# KiCad board demomatrix.kicad_pcb
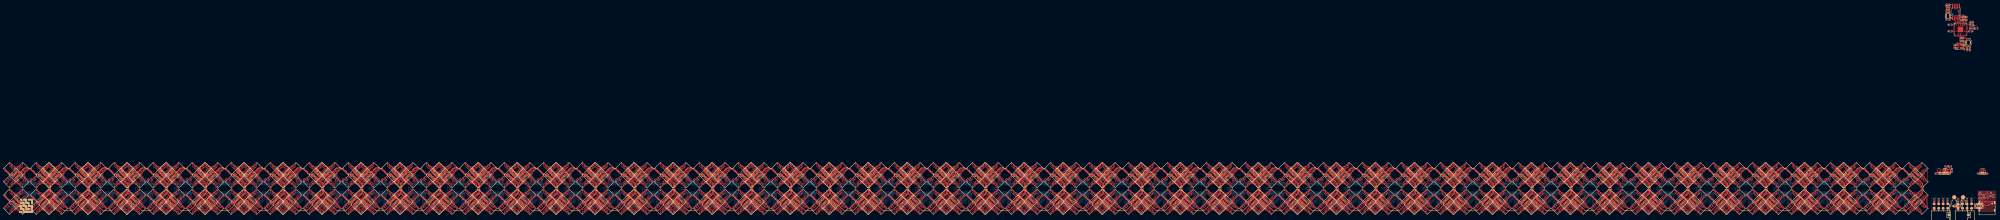
[diagram p0: board, top side]
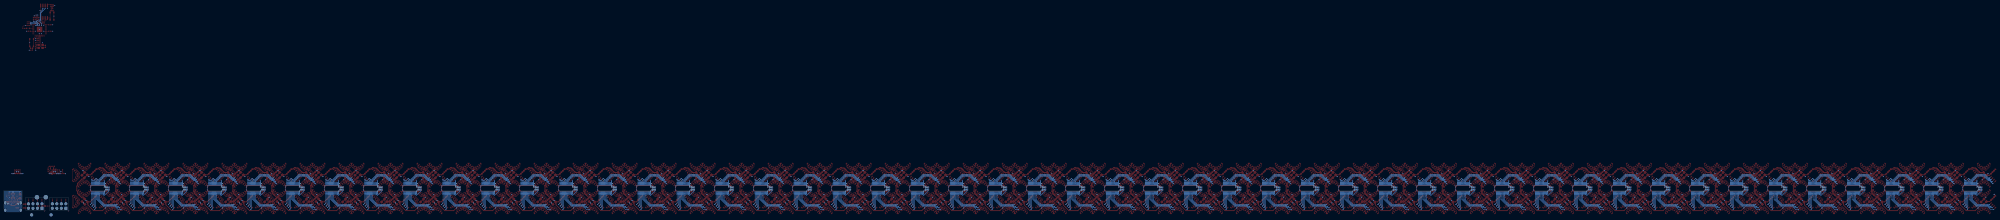
[diagram p1: board, bottom side, seen from below]

Outline 24.61 x 8.1 mm; copper layers: Top, Bottom. Coordinates in mm from the lower left corner of the outline.
Outline path: rectangle 0.35,8.1 11.15,0.7 ; rectangle 13.81,8.1 24.61,0.7 ; 0.7,0 0,0.7 ; 14.16,0 13.46,0.7

## Placement (name value [footprint] x y rotation side)
C1  10µF ±10% 25V X5R  [C0805]  -1080.5 19.73 315 top
C2  10µF ±10% 25V X5R  [C0805]  -1078.8 21.44 315 top
C3  10µF ±10% 25V X5R  [C0805]  -1080.49 6.37 45 top
C4  10µF ±10% 25V X5R  [C0805]  -1063.85 19.82 45 top
C5  10µF ±10% 25V X5R  [C0805]  -1065.54 4.75 315 top
C6  10µF ±10% 25V X5R  [C0805]  -1078.84 4.7 45 top
C7  10µF ±10% 25V X5R  [C0805]  -1063.94 6.4 315 top
C8  10µF ±10% 25V X5R  [C0805]  -1065.46 21.49 45 top
C9  100nF ±10% 16V X7R  [C0402]  -1077.23 13.08 90 bottom
C10  10µF ±10% 25V X5R  [C0805]  -838.5 19.73 315 top
C11  10µF ±10% 25V X5R  [C0805]  -836.8 21.44 315 top
C12  10µF ±10% 25V X5R  [C0805]  -838.49 6.37 45 top
C13  10µF ±10% 25V X5R  [C0805]  -821.85 19.82 45 top
C14  10µF ±10% 25V X5R  [C0805]  -823.54 4.75 315 top
C15  10µF ±10% 25V X5R  [C0805]  -836.84 4.7 45 top
C16  10µF ±10% 25V X5R  [C0805]  -821.94 6.4 315 top
C17  10µF ±10% 25V X5R  [C0805]  -823.46 21.49 45 top
C18  100nF ±10% 16V X7R  [C0402]  -835.23 13.08 90 bottom
C19  10µF ±10% 25V X5R  [C0805]  -596.5 19.73 315 top
C20  10µF ±10% 25V X5R  [C0805]  -594.8 21.44 315 top
C21  10µF ±10% 25V X5R  [C0805]  -596.49 6.37 45 top
C22  10µF ±10% 25V X5R  [C0805]  -579.85 19.82 45 top
C23  10µF ±10% 25V X5R  [C0805]  -581.54 4.75 315 top
C24  10µF ±10% 25V X5R  [C0805]  -594.84 4.7 45 top
C25  10µF ±10% 25V X5R  [C0805]  -579.94 6.4 315 top
C26  10µF ±10% 25V X5R  [C0805]  -581.46 21.49 45 top
C27  100nF ±10% 16V X7R  [C0402]  -593.23 13.08 90 bottom
C28  10µF ±10% 25V X5R  [C0805]  -354.5 19.73 315 top
C29  10µF ±10% 25V X5R  [C0805]  -352.8 21.44 315 top
C30  10µF ±10% 25V X5R  [C0805]  -354.49 6.37 45 top
C31  10µF ±10% 25V X5R  [C0805]  -337.85 19.82 45 top
C32  10µF ±10% 25V X5R  [C0805]  -339.54 4.75 315 top
C33  10µF ±10% 25V X5R  [C0805]  -352.84 4.7 45 top
C34  10µF ±10% 25V X5R  [C0805]  -337.94 6.4 315 top
C35  10µF ±10% 25V X5R  [C0805]  -339.46 21.49 45 top
C36  100nF ±10% 16V X7R  [C0402]  -351.23 13.08 90 bottom
C37  10µF ±10% 25V X5R  [C0805]  -134.5 19.73 315 top
C38  10µF ±10% 25V X5R  [C0805]  -132.8 21.44 315 top
C39  10µF ±10% 25V X5R  [C0805]  -134.49 6.37 45 top
C40  10µF ±10% 25V X5R  [C0805]  -117.85 19.82 45 top
C41  10µF ±10% 25V X5R  [C0805]  -119.54 4.75 315 top
C42  10µF ±10% 25V X5R  [C0805]  -132.84 4.7 45 top
C43  10µF ±10% 25V X5R  [C0805]  -117.94 6.4 315 top
C44  10µF ±10% 25V X5R  [C0805]  -119.46 21.49 45 top
C45  100nF ±10% 16V X7R  [C0402]  -131.23 13.08 90 bottom
C46  10µF ±10% 25V X5R  [C0805]  -112.5 19.73 315 top
C47  10µF ±10% 25V X5R  [C0805]  -110.8 21.44 315 top
C48  10µF ±10% 25V X5R  [C0805]  -112.49 6.37 45 top
C49  10µF ±10% 25V X5R  [C0805]  -95.85 19.82 45 top
C50  10µF ±10% 25V X5R  [C0805]  -97.54 4.75 315 top
C51  10µF ±10% 25V X5R  [C0805]  -110.84 4.7 45 top
C52  10µF ±10% 25V X5R  [C0805]  -95.94 6.4 315 top
C53  10µF ±10% 25V X5R  [C0805]  -97.46 21.49 45 top
C54  100nF ±10% 16V X7R  [C0402]  -109.23 13.08 90 bottom
C55  10µF ±10% 25V X5R  [C0805]  -90.5 19.73 315 top
C56  10µF ±10% 25V X5R  [C0805]  -88.8 21.44 315 top
C57  10µF ±10% 25V X5R  [C0805]  -90.49 6.37 45 top
C58  10µF ±10% 25V X5R  [C0805]  -73.85 19.82 45 top
C59  10µF ±10% 25V X5R  [C0805]  -75.54 4.75 315 top
C60  10µF ±10% 25V X5R  [C0805]  -88.84 4.7 45 top
C61  10µF ±10% 25V X5R  [C0805]  -73.94 6.4 315 top
C62  10µF ±10% 25V X5R  [C0805]  -75.46 21.49 45 top
C63  100nF ±10% 16V X7R  [C0402]  -87.23 13.08 90 bottom
C64  10µF ±10% 25V X5R  [C0805]  -68.5 19.73 315 top
C65  10µF ±10% 25V X5R  [C0805]  -66.8 21.44 315 top
C66  10µF ±10% 25V X5R  [C0805]  -68.49 6.37 45 top
C67  10µF ±10% 25V X5R  [C0805]  -51.85 19.82 45 top
C68  10µF ±10% 25V X5R  [C0805]  -53.54 4.75 315 top
C69  10µF ±10% 25V X5R  [C0805]  -66.84 4.7 45 top
C70  10µF ±10% 25V X5R  [C0805]  -51.94 6.4 315 top
C71  10µF ±10% 25V X5R  [C0805]  -53.46 21.49 45 top
C72  100nF ±10% 16V X7R  [C0402]  -65.23 13.08 90 bottom
C73  10µF ±10% 25V X5R  [C0805]  -46.5 19.73 315 top
C74  10µF ±10% 25V X5R  [C0805]  -44.8 21.44 315 top
C75  10µF ±10% 25V X5R  [C0805]  -46.49 6.37 45 top
C76  10µF ±10% 25V X5R  [C0805]  -29.85 19.82 45 top
C77  10µF ±10% 25V X5R  [C0805]  -31.54 4.75 315 top
C78  10µF ±10% 25V X5R  [C0805]  -44.84 4.7 45 top
C79  10µF ±10% 25V X5R  [C0805]  -29.94 6.4 315 top
C80  10µF ±10% 25V X5R  [C0805]  -31.46 21.49 45 top
C81  100nF ±10% 16V X7R  [C0402]  -43.23 13.08 90 bottom
C82  10µF ±10% 25V X5R  [C0805]  -24.5 19.73 315 top
C83  10µF ±10% 25V X5R  [C0805]  -22.8 21.44 315 top
C84  10µF ±10% 25V X5R  [C0805]  -24.49 6.37 45 top
C85  10µF ±10% 25V X5R  [C0805]  -7.85 19.82 45 top
C86  10µF ±10% 25V X5R  [C0805]  -9.54 4.75 315 top
C87  10µF ±10% 25V X5R  [C0805]  -22.84 4.7 45 top
C88  10µF ±10% 25V X5R  [C0805]  -7.94 6.4 315 top
C89  10µF ±10% 25V X5R  [C0805]  -9.46 21.49 45 top
C90  100nF ±10% 16V X7R  [C0402]  -21.23 13.08 90 bottom
C91  10µF ±10% 25V X5R  [C0805]  -1058.5 19.73 315 top
C92  10µF ±10% 25V X5R  [C0805]  -1056.8 21.44 315 top
C93  10µF ±10% 25V X5R  [C0805]  -1058.49 6.37 45 top
C94  10µF ±10% 25V X5R  [C0805]  -1041.85 19.82 45 top
C95  10µF ±10% 25V X5R  [C0805]  -1043.54 4.75 315 top
C96  10µF ±10% 25V X5R  [C0805]  -1056.84 4.7 45 top
C97  10µF ±10% 25V X5R  [C0805]  -1041.94 6.4 315 top
C98  10µF ±10% 25V X5R  [C0805]  -1043.46 21.49 45 top
C99  100nF ±10% 16V X7R  [C0402]  -1055.23 13.08 90 bottom
C100  10µF ±10% 25V X5R  [C0805]  -1036.5 19.73 315 top
C101  10µF ±10% 25V X5R  [C0805]  -1034.8 21.44 315 top
C102  10µF ±10% 25V X5R  [C0805]  -1036.49 6.37 45 top
C103  10µF ±10% 25V X5R  [C0805]  -1019.85 19.82 45 top
C104  10µF ±10% 25V X5R  [C0805]  -1021.54 4.75 315 top
C105  10µF ±10% 25V X5R  [C0805]  -1034.84 4.7 45 top
C106  10µF ±10% 25V X5R  [C0805]  -1019.94 6.4 315 top
C107  10µF ±10% 25V X5R  [C0805]  -1021.46 21.49 45 top
C108  100nF ±10% 16V X7R  [C0402]  -1033.23 13.08 90 bottom
C109  10µF ±10% 25V X5R  [C0805]  -1014.5 19.73 315 top
C110  10µF ±10% 25V X5R  [C0805]  -1012.8 21.44 315 top
C111  10µF ±10% 25V X5R  [C0805]  -1014.49 6.37 45 top
C112  10µF ±10% 25V X5R  [C0805]  -997.85 19.82 45 top
C113  10µF ±10% 25V X5R  [C0805]  -999.54 4.75 315 top
C114  10µF ±10% 25V X5R  [C0805]  -1012.84 4.7 45 top
C115  10µF ±10% 25V X5R  [C0805]  -997.94 6.4 315 top
C116  10µF ±10% 25V X5R  [C0805]  -999.46 21.49 45 top
C117  100nF ±10% 16V X7R  [C0402]  -1011.23 13.08 90 bottom
C118  10µF ±10% 25V X5R  [C0805]  -992.5 19.73 315 top
C119  10µF ±10% 25V X5R  [C0805]  -990.8 21.44 315 top
C120  10µF ±10% 25V X5R  [C0805]  -992.49 6.37 45 top
C121  10µF ±10% 25V X5R  [C0805]  -975.85 19.82 45 top
C122  10µF ±10% 25V X5R  [C0805]  -977.54 4.75 315 top
C123  10µF ±10% 25V X5R  [C0805]  -990.84 4.7 45 top
C124  10µF ±10% 25V X5R  [C0805]  -975.94 6.4 315 top
C125  10µF ±10% 25V X5R  [C0805]  -977.46 21.49 45 top
C126  100nF ±10% 16V X7R  [C0402]  -989.23 13.08 90 bottom
C127  10µF ±10% 25V X5R  [C0805]  -970.5 19.73 315 top
C128  10µF ±10% 25V X5R  [C0805]  -968.8 21.44 315 top
C129  10µF ±10% 25V X5R  [C0805]  -970.49 6.37 45 top
C130  10µF ±10% 25V X5R  [C0805]  -953.85 19.82 45 top
C131  10µF ±10% 25V X5R  [C0805]  -955.54 4.75 315 top
C132  10µF ±10% 25V X5R  [C0805]  -968.84 4.7 45 top
C133  10µF ±10% 25V X5R  [C0805]  -953.94 6.4 315 top
C134  10µF ±10% 25V X5R  [C0805]  -955.46 21.49 45 top
C135  100nF ±10% 16V X7R  [C0402]  -967.23 13.08 90 bottom
C136  10µF ±10% 25V X5R  [C0805]  -948.5 19.73 315 top
C137  10µF ±10% 25V X5R  [C0805]  -946.8 21.44 315 top
C138  10µF ±10% 25V X5R  [C0805]  -948.49 6.37 45 top
C139  10µF ±10% 25V X5R  [C0805]  -931.85 19.82 45 top
C140  10µF ±10% 25V X5R  [C0805]  -933.54 4.75 315 top
C141  10µF ±10% 25V X5R  [C0805]  -946.84 4.7 45 top
C142  10µF ±10% 25V X5R  [C0805]  -931.94 6.4 315 top
C143  10µF ±10% 25V X5R  [C0805]  -933.46 21.49 45 top
C144  100nF ±10% 16V X7R  [C0402]  -945.23 13.08 90 bottom
C145  10µF ±10% 25V X5R  [C0805]  -926.5 19.73 315 top
C146  10µF ±10% 25V X5R  [C0805]  -924.8 21.44 315 top
C147  10µF ±10% 25V X5R  [C0805]  -926.49 6.37 45 top
C148  10µF ±10% 25V X5R  [C0805]  -909.85 19.82 45 top
C149  10µF ±10% 25V X5R  [C0805]  -911.54 4.75 315 top
C150  10µF ±10% 25V X5R  [C0805]  -924.84 4.7 45 top
C151  10µF ±10% 25V X5R  [C0805]  -909.94 6.4 315 top
C152  10µF ±10% 25V X5R  [C0805]  -911.46 21.49 45 top
C153  100nF ±10% 16V X7R  [C0402]  -923.23 13.08 90 bottom
C154  10µF ±10% 25V X5R  [C0805]  -904.5 19.73 315 top
C155  10µF ±10% 25V X5R  [C0805]  -902.8 21.44 315 top
C156  10µF ±10% 25V X5R  [C0805]  -904.49 6.37 45 top
C157  10µF ±10% 25V X5R  [C0805]  -887.85 19.82 45 top
C158  10µF ±10% 25V X5R  [C0805]  -889.54 4.75 315 top
C159  10µF ±10% 25V X5R  [C0805]  -902.84 4.7 45 top
C160  10µF ±10% 25V X5R  [C0805]  -887.94 6.4 315 top
C161  10µF ±10% 25V X5R  [C0805]  -889.46 21.49 45 top
C162  100nF ±10% 16V X7R  [C0402]  -901.23 13.08 90 bottom
C163  10µF ±10% 25V X5R  [C0805]  -882.5 19.73 315 top
C164  10µF ±10% 25V X5R  [C0805]  -880.8 21.44 315 top
C165  10µF ±10% 25V X5R  [C0805]  -882.49 6.37 45 top
C166  10µF ±10% 25V X5R  [C0805]  -865.85 19.82 45 top
C167  10µF ±10% 25V X5R  [C0805]  -867.54 4.75 315 top
C168  10µF ±10% 25V X5R  [C0805]  -880.84 4.7 45 top
C169  10µF ±10% 25V X5R  [C0805]  -865.94 6.4 315 top
C170  10µF ±10% 25V X5R  [C0805]  -867.46 21.49 45 top
C171  100nF ±10% 16V X7R  [C0402]  -879.23 13.08 90 bottom
C172  10µF ±10% 25V X5R  [C0805]  -860.5 19.73 315 top
C173  10µF ±10% 25V X5R  [C0805]  -858.8 21.44 315 top
C174  10µF ±10% 25V X5R  [C0805]  -860.49 6.37 45 top
C175  10µF ±10% 25V X5R  [C0805]  -843.85 19.82 45 top
C176  10µF ±10% 25V X5R  [C0805]  -845.54 4.75 315 top
C177  10µF ±10% 25V X5R  [C0805]  -858.84 4.7 45 top
C178  10µF ±10% 25V X5R  [C0805]  -843.94 6.4 315 top
C179  10µF ±10% 25V X5R  [C0805]  -845.46 21.49 45 top
C180  100nF ±10% 16V X7R  [C0402]  -857.23 13.08 90 bottom
C181  10µF ±10% 25V X5R  [C0805]  -816.5 19.73 315 top
C182  10µF ±10% 25V X5R  [C0805]  -814.8 21.44 315 top
C183  10µF ±10% 25V X5R  [C0805]  -816.49 6.37 45 top
C184  10µF ±10% 25V X5R  [C0805]  -799.85 19.82 45 top
C185  10µF ±10% 25V X5R  [C0805]  -801.54 4.75 315 top
C186  10µF ±10% 25V X5R  [C0805]  -814.84 4.7 45 top
C187  10µF ±10% 25V X5R  [C0805]  -799.94 6.4 315 top
C188  10µF ±10% 25V X5R  [C0805]  -801.46 21.49 45 top
C189  100nF ±10% 16V X7R  [C0402]  -813.23 13.08 90 bottom
C190  10µF ±10% 25V X5R  [C0805]  -794.5 19.73 315 top
C191  10µF ±10% 25V X5R  [C0805]  -792.8 21.44 315 top
C192  10µF ±10% 25V X5R  [C0805]  -794.49 6.37 45 top
C193  10µF ±10% 25V X5R  [C0805]  -777.85 19.82 45 top
C194  10µF ±10% 25V X5R  [C0805]  -779.54 4.75 315 top
C195  10µF ±10% 25V X5R  [C0805]  -792.84 4.7 45 top
C196  10µF ±10% 25V X5R  [C0805]  -777.94 6.4 315 top
C197  10µF ±10% 25V X5R  [C0805]  -779.46 21.49 45 top
C198  100nF ±10% 16V X7R  [C0402]  -791.23 13.08 90 bottom
C199  10µF ±10% 25V X5R  [C0805]  -772.5 19.73 315 top
C200  10µF ±10% 25V X5R  [C0805]  -770.8 21.44 315 top
C201  10µF ±10% 25V X5R  [C0805]  -772.49 6.37 45 top
C202  10µF ±10% 25V X5R  [C0805]  -755.85 19.82 45 top
C203  10µF ±10% 25V X5R  [C0805]  -757.54 4.75 315 top
C204  10µF ±10% 25V X5R  [C0805]  -770.84 4.7 45 top
C205  10µF ±10% 25V X5R  [C0805]  -755.94 6.4 315 top
C206  10µF ±10% 25V X5R  [C0805]  -757.46 21.49 45 top
C207  100nF ±10% 16V X7R  [C0402]  -769.23 13.08 90 bottom
C208  10µF ±10% 25V X5R  [C0805]  -750.5 19.73 315 top
C209  10µF ±10% 25V X5R  [C0805]  -748.8 21.44 315 top
C210  10µF ±10% 25V X5R  [C0805]  -750.49 6.37 45 top
C211  10µF ±10% 25V X5R  [C0805]  -733.85 19.82 45 top
C212  10µF ±10% 25V X5R  [C0805]  -735.54 4.75 315 top
C213  10µF ±10% 25V X5R  [C0805]  -748.84 4.7 45 top
C214  10µF ±10% 25V X5R  [C0805]  -733.94 6.4 315 top
C215  10µF ±10% 25V X5R  [C0805]  -735.46 21.49 45 top
C216  100nF ±10% 16V X7R  [C0402]  -747.23 13.08 90 bottom
C217  10µF ±10% 25V X5R  [C0805]  -728.5 19.73 315 top
C218  10µF ±10% 25V X5R  [C0805]  -726.8 21.44 315 top
C219  10µF ±10% 25V X5R  [C0805]  -728.49 6.37 45 top
C220  10µF ±10% 25V X5R  [C0805]  -711.85 19.82 45 top
C221  10µF ±10% 25V X5R  [C0805]  -713.54 4.75 315 top
C222  10µF ±10% 25V X5R  [C0805]  -726.84 4.7 45 top
C223  10µF ±10% 25V X5R  [C0805]  -711.94 6.4 315 top
C224  10µF ±10% 25V X5R  [C0805]  -713.46 21.49 45 top
C225  100nF ±10% 16V X7R  [C0402]  -725.23 13.08 90 bottom
C226  10µF ±10% 25V X5R  [C0805]  -706.5 19.73 315 top
C227  10µF ±10% 25V X5R  [C0805]  -704.8 21.44 315 top
C228  10µF ±10% 25V X5R  [C0805]  -706.49 6.37 45 top
C229  10µF ±10% 25V X5R  [C0805]  -689.85 19.82 45 top
C230  10µF ±10% 25V X5R  [C0805]  -691.54 4.75 315 top
C231  10µF ±10% 25V X5R  [C0805]  -704.84 4.7 45 top
C232  10µF ±10% 25V X5R  [C0805]  -689.94 6.4 315 top
C233  10µF ±10% 25V X5R  [C0805]  -691.46 21.49 45 top
C234  100nF ±10% 16V X7R  [C0402]  -703.23 13.08 90 bottom
C235  10µF ±10% 25V X5R  [C0805]  -684.5 19.73 315 top
C236  10µF ±10% 25V X5R  [C0805]  -682.8 21.44 315 top
C237  10µF ±10% 25V X5R  [C0805]  -684.49 6.37 45 top
C238  10µF ±10% 25V X5R  [C0805]  -667.85 19.82 45 top
C239  10µF ±10% 25V X5R  [C0805]  -669.54 4.75 315 top
C240  10µF ±10% 25V X5R  [C0805]  -682.84 4.7 45 top
C241  10µF ±10% 25V X5R  [C0805]  -667.94 6.4 315 top
C242  10µF ±10% 25V X5R  [C0805]  -669.46 21.49 45 top
C243  100nF ±10% 16V X7R  [C0402]  -681.23 13.08 90 bottom
C244  10µF ±10% 25V X5R  [C0805]  -662.5 19.73 315 top
C245  10µF ±10% 25V X5R  [C0805]  -660.8 21.44 315 top
C246  10µF ±10% 25V X5R  [C0805]  -662.49 6.37 45 top
C247  10µF ±10% 25V X5R  [C0805]  -645.85 19.82 45 top
C248  10µF ±10% 25V X5R  [C0805]  -647.54 4.75 315 top
C249  10µF ±10% 25V X5R  [C0805]  -660.84 4.7 45 top
C250  10µF ±10% 25V X5R  [C0805]  -645.94 6.4 315 top
C251  10µF ±10% 25V X5R  [C0805]  -647.46 21.49 45 top
C252  100nF ±10% 16V X7R  [C0402]  -659.23 13.08 90 bottom
C253  10µF ±10% 25V X5R  [C0805]  -640.5 19.73 315 top
C254  10µF ±10% 25V X5R  [C0805]  -638.8 21.44 315 top
C255  10µF ±10% 25V X5R  [C0805]  -640.49 6.37 45 top
C256  10µF ±10% 25V X5R  [C0805]  -623.85 19.82 45 top
C257  10µF ±10% 25V X5R  [C0805]  -625.54 4.75 315 top
C258  10µF ±10% 25V X5R  [C0805]  -638.84 4.7 45 top
C259  10µF ±10% 25V X5R  [C0805]  -623.94 6.4 315 top
C260  10µF ±10% 25V X5R  [C0805]  -625.46 21.49 45 top
C261  100nF ±10% 16V X7R  [C0402]  -637.23 13.08 90 bottom
C262  10µF ±10% 25V X5R  [C0805]  -618.5 19.73 315 top
C263  10µF ±10% 25V X5R  [C0805]  -616.8 21.44 315 top
C264  10µF ±10% 25V X5R  [C0805]  -618.49 6.37 45 top
C265  10µF ±10% 25V X5R  [C0805]  -601.85 19.82 45 top
C266  10µF ±10% 25V X5R  [C0805]  -603.54 4.75 315 top
C267  10µF ±10% 25V X5R  [C0805]  -616.84 4.7 45 top
C268  10µF ±10% 25V X5R  [C0805]  -601.94 6.4 315 top
C269  10µF ±10% 25V X5R  [C0805]  -603.46 21.49 45 top
C270  100nF ±10% 16V X7R  [C0402]  -615.23 13.08 90 bottom
C271  10µF ±10% 25V X5R  [C0805]  -574.5 19.73 315 top
C272  10µF ±10% 25V X5R  [C0805]  -572.8 21.44 315 top
C273  10µF ±10% 25V X5R  [C0805]  -574.49 6.37 45 top
C274  10µF ±10% 25V X5R  [C0805]  -557.85 19.82 45 top
C275  10µF ±10% 25V X5R  [C0805]  -559.54 4.75 315 top
C276  10µF ±10% 25V X5R  [C0805]  -572.84 4.7 45 top
C277  10µF ±10% 25V X5R  [C0805]  -557.94 6.4 315 top
C278  10µF ±10% 25V X5R  [C0805]  -559.46 21.49 45 top
C279  100nF ±10% 16V X7R  [C0402]  -571.23 13.08 90 bottom
C280  10µF ±10% 25V X5R  [C0805]  -552.5 19.73 315 top
C281  10µF ±10% 25V X5R  [C0805]  -550.8 21.44 315 top
C282  10µF ±10% 25V X5R  [C0805]  -552.49 6.37 45 top
C283  10µF ±10% 25V X5R  [C0805]  -535.85 19.82 45 top
C284  10µF ±10% 25V X5R  [C0805]  -537.54 4.75 315 top
C285  10µF ±10% 25V X5R  [C0805]  -550.84 4.7 45 top
C286  10µF ±10% 25V X5R  [C0805]  -535.94 6.4 315 top
C287  10µF ±10% 25V X5R  [C0805]  -537.46 21.49 45 top
C288  100nF ±10% 16V X7R  [C0402]  -549.23 13.08 90 bottom
C289  10µF ±10% 25V X5R  [C0805]  -530.5 19.73 315 top
C290  10µF ±10% 25V X5R  [C0805]  -528.8 21.44 315 top
C291  10µF ±10% 25V X5R  [C0805]  -530.49 6.37 45 top
C292  10µF ±10% 25V X5R  [C0805]  -513.85 19.82 45 top
C293  10µF ±10% 25V X5R  [C0805]  -515.54 4.75 315 top
C294  10µF ±10% 25V X5R  [C0805]  -528.84 4.7 45 top
C295  10µF ±10% 25V X5R  [C0805]  -513.94 6.4 315 top
C296  10µF ±10% 25V X5R  [C0805]  -515.46 21.49 45 top
C297  100nF ±10% 16V X7R  [C0402]  -527.23 13.08 90 bottom
C298  10µF ±10% 25V X5R  [C0805]  -508.5 19.73 315 top
C299  10µF ±10% 25V X5R  [C0805]  -506.8 21.44 315 top
C300  10µF ±10% 25V X5R  [C0805]  -508.49 6.37 45 top
C301  10µF ±10% 25V X5R  [C0805]  -491.85 19.82 45 top
C302  10µF ±10% 25V X5R  [C0805]  -493.54 4.75 315 top
C303  10µF ±10% 25V X5R  [C0805]  -506.84 4.7 45 top
C304  10µF ±10% 25V X5R  [C0805]  -491.94 6.4 315 top
C305  10µF ±10% 25V X5R  [C0805]  -493.46 21.49 45 top
C306  100nF ±10% 16V X7R  [C0402]  -505.23 13.08 90 bottom
C307  10µF ±10% 25V X5R  [C0805]  -486.5 19.73 315 top
C308  10µF ±10% 25V X5R  [C0805]  -484.8 21.44 315 top
C309  10µF ±10% 25V X5R  [C0805]  -486.49 6.37 45 top
C310  10µF ±10% 25V X5R  [C0805]  -469.85 19.82 45 top
C311  10µF ±10% 25V X5R  [C0805]  -471.54 4.75 315 top
C312  10µF ±10% 25V X5R  [C0805]  -484.84 4.7 45 top
C313  10µF ±10% 25V X5R  [C0805]  -469.94 6.4 315 top
C314  10µF ±10% 25V X5R  [C0805]  -471.46 21.49 45 top
C315  100nF ±10% 16V X7R  [C0402]  -483.23 13.08 90 bottom
C316  10µF ±10% 25V X5R  [C0805]  -464.5 19.73 315 top
C317  10µF ±10% 25V X5R  [C0805]  -462.8 21.44 315 top
C318  10µF ±10% 25V X5R  [C0805]  -464.49 6.37 45 top
C319  10µF ±10% 25V X5R  [C0805]  -447.85 19.82 45 top
C320  10µF ±10% 25V X5R  [C0805]  -449.54 4.75 315 top
C321  10µF ±10% 25V X5R  [C0805]  -462.84 4.7 45 top
C322  10µF ±10% 25V X5R  [C0805]  -447.94 6.4 315 top
C323  10µF ±10% 25V X5R  [C0805]  -449.46 21.49 45 top
C324  100nF ±10% 16V X7R  [C0402]  -461.23 13.08 90 bottom
C325  10µF ±10% 25V X5R  [C0805]  -442.5 19.73 315 top
C326  10µF ±10% 25V X5R  [C0805]  -440.8 21.44 315 top
C327  10µF ±10% 25V X5R  [C0805]  -442.49 6.37 45 top
C328  10µF ±10% 25V X5R  [C0805]  -425.85 19.82 45 top
C329  10µF ±10% 25V X5R  [C0805]  -427.54 4.75 315 top
C330  10µF ±10% 25V X5R  [C0805]  -440.84 4.7 45 top
C331  10µF ±10% 25V X5R  [C0805]  -425.94 6.4 315 top
C332  10µF ±10% 25V X5R  [C0805]  -427.46 21.49 45 top
C333  100nF ±10% 16V X7R  [C0402]  -439.23 13.08 90 bottom
C334  10µF ±10% 25V X5R  [C0805]  -420.5 19.73 315 top
C335  10µF ±10% 25V X5R  [C0805]  -418.8 21.44 315 top
C336  10µF ±10% 25V X5R  [C0805]  -420.49 6.37 45 top
C337  10µF ±10% 25V X5R  [C0805]  -403.85 19.82 45 top
C338  10µF ±10% 25V X5R  [C0805]  -405.54 4.75 315 top
C339  10µF ±10% 25V X5R  [C0805]  -418.84 4.7 45 top
C340  10µF ±10% 25V X5R  [C0805]  -403.94 6.4 315 top
C341  10µF ±10% 25V X5R  [C0805]  -405.46 21.49 45 top
C342  100nF ±10% 16V X7R  [C0402]  -417.23 13.08 90 bottom
C343  10µF ±10% 25V X5R  [C0805]  -398.5 19.73 315 top
C344  10µF ±10% 25V X5R  [C0805]  -396.8 21.44 315 top
C345  10µF ±10% 25V X5R  [C0805]  -398.49 6.37 45 top
C346  10µF ±10% 25V X5R  [C0805]  -381.85 19.82 45 top
C347  10µF ±10% 25V X5R  [C0805]  -383.54 4.75 315 top
C348  10µF ±10% 25V X5R  [C0805]  -396.84 4.7 45 top
C349  10µF ±10% 25V X5R  [C0805]  -381.94 6.4 315 top
C350  10µF ±10% 25V X5R  [C0805]  -383.46 21.49 45 top
C351  100nF ±10% 16V X7R  [C0402]  -395.23 13.08 90 bottom
C352  10µF ±10% 25V X5R  [C0805]  -376.5 19.73 315 top
C353  10µF ±10% 25V X5R  [C0805]  -374.8 21.44 315 top
C354  10µF ±10% 25V X5R  [C0805]  -376.49 6.37 45 top
C355  10µF ±10% 25V X5R  [C0805]  -359.85 19.82 45 top
C356  10µF ±10% 25V X5R  [C0805]  -361.54 4.75 315 top
C357  10µF ±10% 25V X5R  [C0805]  -374.84 4.7 45 top
C358  10µF ±10% 25V X5R  [C0805]  -359.94 6.4 315 top
C359  10µF ±10% 25V X5R  [C0805]  -361.46 21.49 45 top
C360  100nF ±10% 16V X7R  [C0402]  -373.23 13.08 90 bottom
C361  10µF ±10% 25V X5R  [C0805]  -332.5 19.73 315 top
C362  10µF ±10% 25V X5R  [C0805]  -330.8 21.44 315 top
C363  10µF ±10% 25V X5R  [C0805]  -332.49 6.37 45 top
C364  10µF ±10% 25V X5R  [C0805]  -315.85 19.82 45 top
C365  10µF ±10% 25V X5R  [C0805]  -317.54 4.75 315 top
C366  10µF ±10% 25V X5R  [C0805]  -330.84 4.7 45 top
C367  10µF ±10% 25V X5R  [C0805]  -315.94 6.4 315 top
C368  10µF ±10% 25V X5R  [C0805]  -317.46 21.49 45 top
C369  100nF ±10% 16V X7R  [C0402]  -329.23 13.08 90 bottom
C370  10µF ±10% 25V X5R  [C0805]  -310.5 19.73 315 top
C371  10µF ±10% 25V X5R  [C0805]  -308.8 21.44 315 top
C372  10µF ±10% 25V X5R  [C0805]  -310.49 6.37 45 top
C373  10µF ±10% 25V X5R  [C0805]  -293.85 19.82 45 top
C374  10µF ±10% 25V X5R  [C0805]  -295.54 4.75 315 top
C375  10µF ±10% 25V X5R  [C0805]  -308.84 4.7 45 top
C376  10µF ±10% 25V X5R  [C0805]  -293.94 6.4 315 top
C377  10µF ±10% 25V X5R  [C0805]  -295.46 21.49 45 top
C378  100nF ±10% 16V X7R  [C0402]  -307.23 13.08 90 bottom
C379  10µF ±10% 25V X5R  [C0805]  -288.5 19.73 315 top
C380  10µF ±10% 25V X5R  [C0805]  -286.8 21.44 315 top
C381  10µF ±10% 25V X5R  [C0805]  -288.49 6.37 45 top
C382  10µF ±10% 25V X5R  [C0805]  -271.85 19.82 45 top
C383  10µF ±10% 25V X5R  [C0805]  -273.54 4.75 315 top
C384  10µF ±10% 25V X5R  [C0805]  -286.84 4.7 45 top
C385  10µF ±10% 25V X5R  [C0805]  -271.94 6.4 315 top
C386  10µF ±10% 25V X5R  [C0805]  -273.46 21.49 45 top
C387  100nF ±10% 16V X7R  [C0402]  -285.23 13.08 90 bottom
C388  10µF ±10% 25V X5R  [C0805]  -266.5 19.73 315 top
C389  10µF ±10% 25V X5R  [C0805]  -264.8 21.44 315 top
C390  10µF ±10% 25V X5R  [C0805]  -266.49 6.37 45 top
C391  10µF ±10% 25V X5R  [C0805]  -249.85 19.82 45 top
C392  10µF ±10% 25V X5R  [C0805]  -251.54 4.75 315 top
C393  10µF ±10% 25V X5R  [C0805]  -264.84 4.7 45 top
C394  10µF ±10% 25V X5R  [C0805]  -249.94 6.4 315 top
C395  10µF ±10% 25V X5R  [C0805]  -251.46 21.49 45 top
C396  100nF ±10% 16V X7R  [C0402]  -263.23 13.08 90 bottom
C397  10µF ±10% 25V X5R  [C0805]  -244.5 19.73 315 top
C398  10µF ±10% 25V X5R  [C0805]  -242.8 21.44 315 top
C399  10µF ±10% 25V X5R  [C0805]  -244.49 6.37 45 top
C400  10µF ±10% 25V X5R  [C0805]  -227.85 19.82 45 top
C401  10µF ±10% 25V X5R  [C0805]  -229.54 4.75 315 top
C402  10µF ±10% 25V X5R  [C0805]  -242.84 4.7 45 top
C403  10µF ±10% 25V X5R  [C0805]  -227.94 6.4 315 top
C404  10µF ±10% 25V X5R  [C0805]  -229.46 21.49 45 top
C405  100nF ±10% 16V X7R  [C0402]  -241.23 13.08 90 bottom
C406  10µF ±10% 25V X5R  [C0805]  -222.5 19.73 315 top
C407  10µF ±10% 25V X5R  [C0805]  -220.8 21.44 315 top
C408  10µF ±10% 25V X5R  [C0805]  -222.49 6.37 45 top
C409  10µF ±10% 25V X5R  [C0805]  -205.85 19.82 45 top
C410  10µF ±10% 25V X5R  [C0805]  -207.54 4.75 315 top
C411  10µF ±10% 25V X5R  [C0805]  -220.84 4.7 45 top
C412  10µF ±10% 25V X5R  [C0805]  -205.94 6.4 315 top
C413  10µF ±10% 25V X5R  [C0805]  -207.46 21.49 45 top
C414  100nF ±10% 16V X7R  [C0402]  -219.23 13.08 90 bottom
C415  10µF ±10% 25V X5R  [C0805]  -200.5 19.73 315 top
C416  10µF ±10% 25V X5R  [C0805]  -198.8 21.44 315 top
C417  10µF ±10% 25V X5R  [C0805]  -200.49 6.37 45 top
C418  10µF ±10% 25V X5R  [C0805]  -183.85 19.82 45 top
C419  10µF ±10% 25V X5R  [C0805]  -185.54 4.75 315 top
C420  10µF ±10% 25V X5R  [C0805]  -198.84 4.7 45 top
C421  10µF ±10% 25V X5R  [C0805]  -183.94 6.4 315 top
C422  10µF ±10% 25V X5R  [C0805]  -185.46 21.49 45 top
C423  100nF ±10% 16V X7R  [C0402]  -197.23 13.08 90 bottom
C424  10µF ±10% 25V X5R  [C0805]  -178.5 19.73 315 top
C425  10µF ±10% 25V X5R  [C0805]  -176.8 21.44 315 top
C426  10µF ±10% 25V X5R  [C0805]  -178.49 6.37 45 top
C427  10µF ±10% 25V X5R  [C0805]  -161.85 19.82 45 top
C428  10µF ±10% 25V X5R  [C0805]  -163.54 4.75 315 top
C429  10µF ±10% 25V X5R  [C0805]  -176.84 4.7 45 top
C430  10µF ±10% 25V X5R  [C0805]  -161.94 6.4 315 top
C431  10µF ±10% 25V X5R  [C0805]  -163.46 21.49 45 top
C432  100nF ±10% 16V X7R  [C0402]  -175.23 13.08 90 bottom
C433  10µF ±10% 25V X5R  [C0805]  -156.5 19.73 315 top
C434  10µF ±10% 25V X5R  [C0805]  -154.8 21.44 315 top